# Allegro board 6089-103-RevB_76.brd (continued)
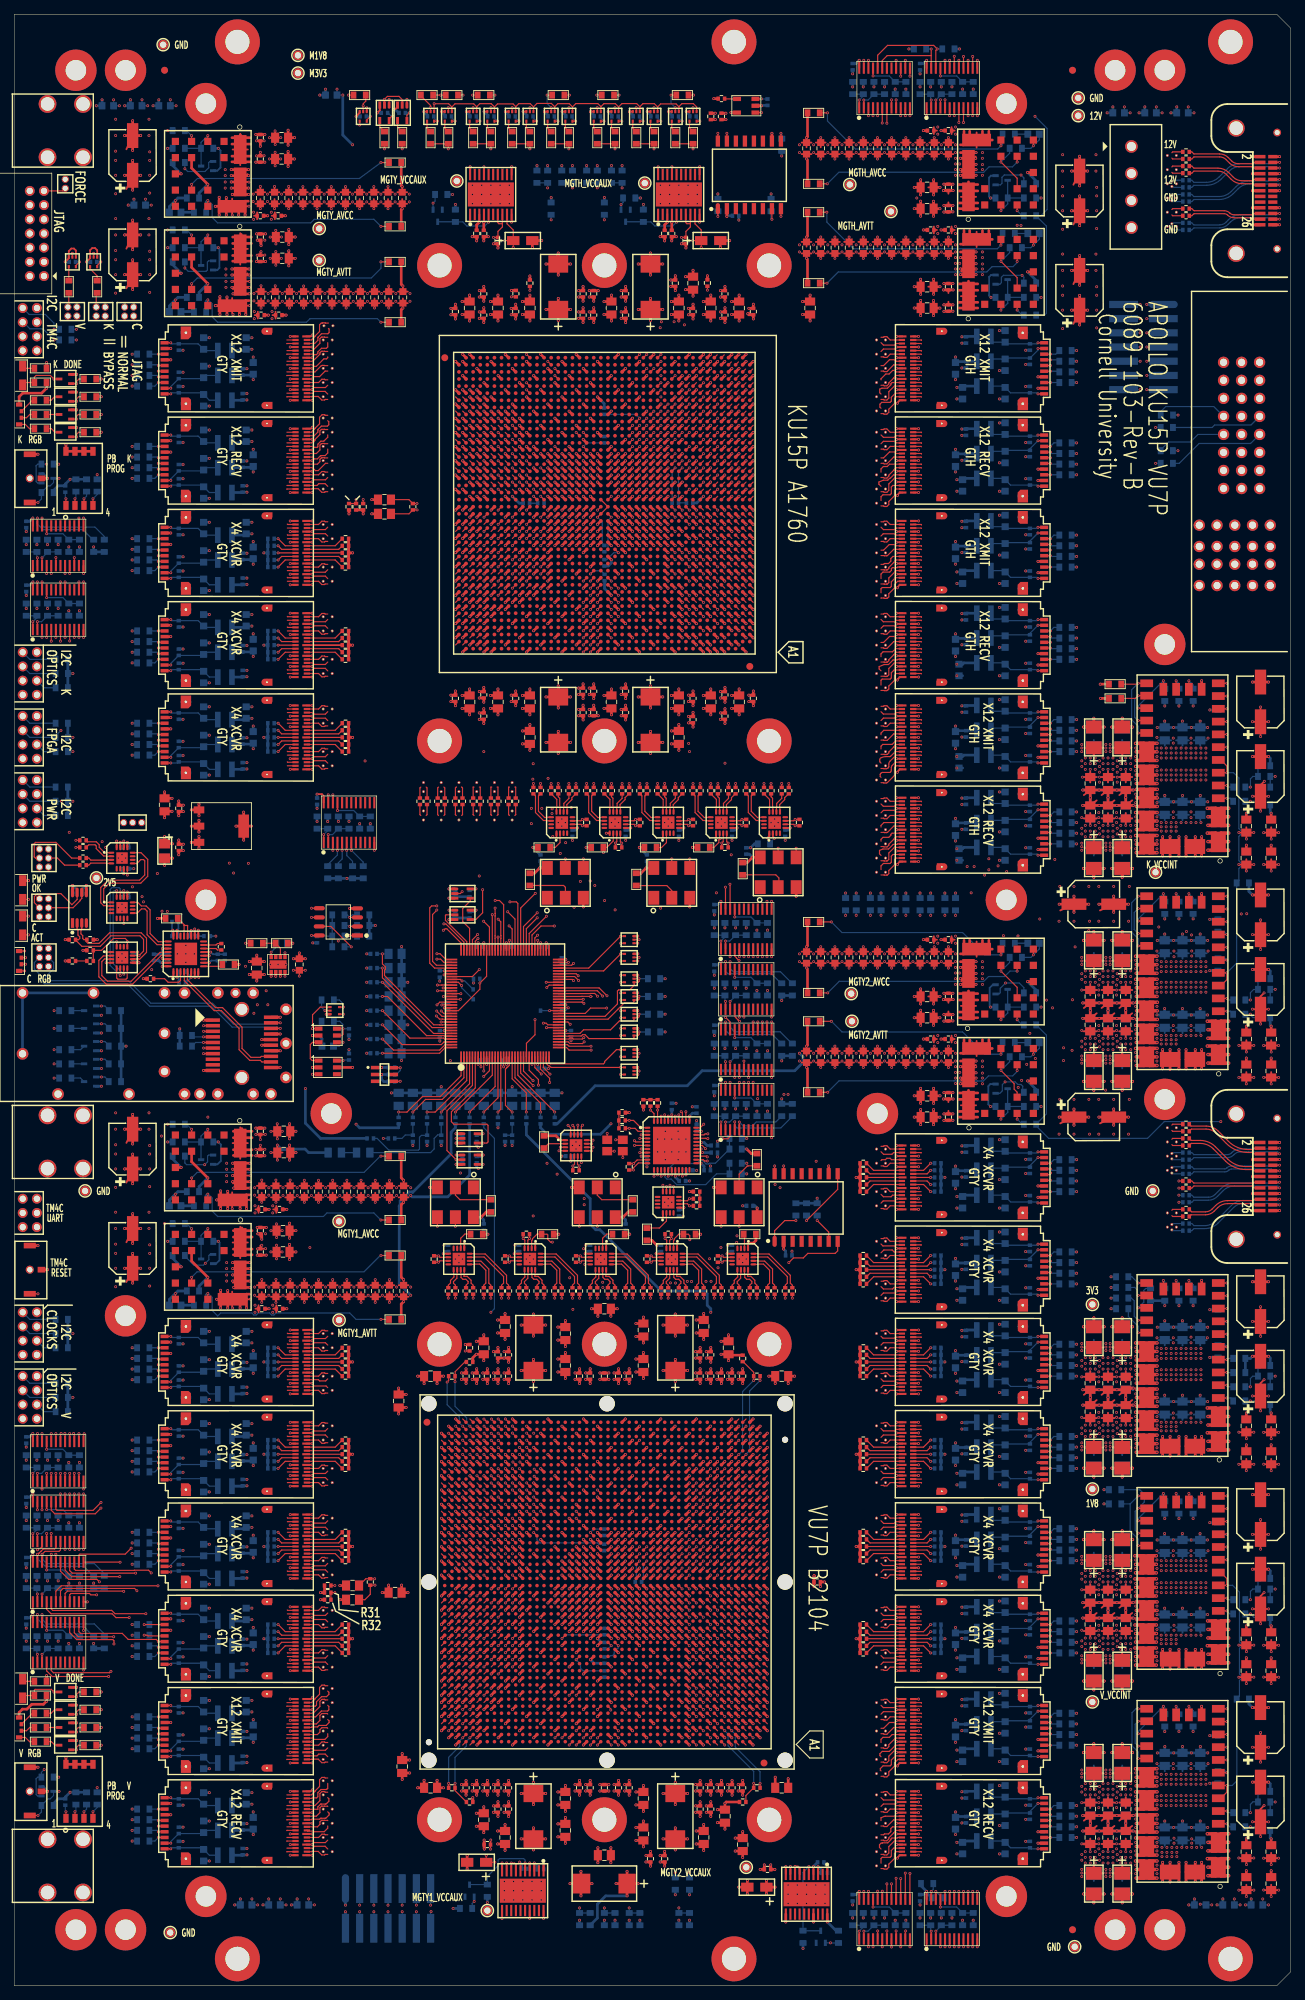
[diagram p0: board, top side]
## Routing (per net, layer and track width the routed paths; a pad name or vN(x,y) marks a point on that pad's centre or on a via; arc(x,y) is an arc through that point) (continued)
  BOTTOM w0.165: R205.1 R206.2 174.6,55.9 174.28,55.57 174.28,54.4 v1(174.27,54.4) R223.2
V_VCCINT_PG_B: length 12.2
  TOP w0.165: U76.4 v1(85.49,129.4) 75.69,129.4 75.47,129.62 75.33,129.62 75,129.96 U52.31
V_VCCINT_PG_B_1: length 177.3
  TOP w0.165: U76.1 v1(87.91,128.4)
  SIG3 w0.079: v1(174.27,22.4) 169.06,27.61 169.06,59.34 166.3,62.1 166.3,62.93 158.62,70.62 158.62,91.67 158.81,91.87 158.81,98.13 151.2,105.75 151.2,112.9 141.54,122.56 v1(141.54,126.58)
  SIG4 w0.079: v1(141.54,126.58) 141.54,126.62 141.41,126.76 132.6,126.76 132.4,126.95 111.15,126.95 109.7,128.4 v1(87.91,128.4)
  BOTTOM w0.165: R212.1 174.84,22.4 v1(174.27,22.4) R226.2 ; R212.1 175.34,21.89 ; R212.1 R211.2
V_VCCINT_PG_B_2: length 176.5
  TOP w0.165: U76.2 v1(88.09,128.9)
  SIG1 w0.079: v1(142.02,127.58) 142.02,122.17 150.12,114.07 150.12,107.88 159.1,98.89 159.1,71.45 165.34,65.22 165.34,64.86 169.4,60.8 169.4,29.27 170.59,28.09 170.59,28.07 170.8,27.86 170.82,27.86 v1(174.27,24.4)
  SIG4 w0.079: v1(142.02,127.58) 141.88,127.58 141.6,127.86 139.69,127.86 138.51,129.04 132.56,129.04 132.41,128.9 v1(88.09,128.9)
  BOTTOM w0.165: R225.2 v1(174.27,24.4) 174.27,25.56 174.64,25.93 175.31,25.93 R210.2 R209.1
V_VCCINT_PWR_EN: length 187.9
  TOP w0.165: U126.5 170.09,26.43 170.95,27.28 v1(170.95,28.23) U126.6 ; U125.5 v1(170.95,56.42) 170.94,56.43 170.94,57.38 170.1,58.23 U125.6 ; U74.4 v1(85.49,134.9)
  SIG3 w0.079: v1(143.18,134.21) 143.18,128.68 143.61,128.24 143.61,124.17 153.4,114.39 153.4,108.2 160.52,101.08 160.52,74.98 170.59,64.91 170.59,56.79 v1(170.95,56.42)
  SIG4 w0.079: v1(85.49,134.9) 85.49,134.9 86.09,135.5 99.44,135.5 99.48,135.46 99.77,135.46 99.81,135.5 100.06,135.5 100.12,135.43 100.43,135.43 100.49,135.5 103.96,135.5 104.02,135.43 104.33,135.43 104.39,135.5 104.61,135.5 104.67,135.43 104.98,135.43 105.04,135.5 105.26,135.5 105.32,135.43 105.63,135.43 105.69,135.5 105.91,135.5 105.97,135.43 106.28,135.43 106.34,135.5 106.56,135.5 106.62,135.43 106.93,135.43 106.99,135.5 116.5,135.5 117.2,134.8 119.3,134.8 120.19,135.69 129.73,135.69 129.92,135.5 141.88,135.5 v1(143.18,134.21)
  BOTTOM w0.165: v1(170.95,56.42) 171.77,56.42 172.73,55.47 172.73,48.47 173.03,48.17 173.03,47.84 172.73,47.54 172.73,43.94 173.03,43.64 173.03,43.32 172.73,43.02 172.73,40.79 R214.1 172.37,40.37 172.37,28.89 171.7,28.23 v1(170.95,28.23)
VU7P_FROM_TM4C_0: length 65.1
  TOP w0.165: v1(73.24,64.86) U66.AL33 73.7,64.41 ; U48.4 v1(66.1,115.74)
  SIG2 w0.079: v1(66.1,115.74) 67.48,114.36 v1(76.53,114.36)
  SIG3 w0.079: v1(73.24,64.86) 74.06,64.86 74.9,65.7 74.9,67.3 77.77,70.17 77.77,79.92 78.06,80.21 78.06,97.09 77.46,97.69 77.46,106.59 76.53,107.51 v1(76.53,114.36)
VU7P_TO_TM4C_0: length 65
  TOP w0.165: U66.AU34 72.69,70.39 v1(72.25,70.86) ; U47.2 v1(62.3,119.4)
  SIG2 w0.079: v1(62.3,119.4) 62.33,119.36 71.67,119.36 75.11,115.92 v1(75.11,115.89)
  SIG3 w0.079: v1(72.25,70.86) 72.62,70.48 73.78,70.48 75.6,72.3 75.6,78.2 77.07,79.67 77.07,92.88 76.72,93.23 76.72,105.08 75.11,106.69 v1(75.11,115.89)
N7164071: length 8
  TOP w0.165: U104.1 v1(144.33,224.3)
  BOTTOM w0.165: v1(144.33,224.3) 144.18,224.45 C585.1 140.46,224.45 C627.1 139.51,225.4 L7.2
N7164321: length 8.4
  TOP w0.165: U104.10 v1(144.33,231.5)
  BOTTOM w0.165: L5.2 137.7,231.75 137.87,231.59 C625.1 139.94,231.35 C583.1 144.18,231.35 v1(144.33,231.5)
N7181615: length 8
  TOP w0.165: U105.1 v1(144.33,211.3)
  BOTTOM w0.165: L10.2 139.51,212.4 C630.1 140.46,211.45 C588.1 144.18,211.45 v1(144.33,211.3)
N7181767: length 8.4
  TOP w0.165: U105.10 v1(144.33,218.5)
  BOTTOM w0.165: L8.2 137.7,218.75 137.87,218.59 C628.1 139.94,218.35 C586.1 144.18,218.35 v1(144.33,218.5)
N7182655: length 8.4
  TOP w0.165: U105.9 v1(144.33,217.7)
  BOTTOM w0.165: v1(144.33,217.7) 143.2,216.57 C587.1 139.84,216.35 C629.1 138.01,216.21 L9.2
N7186304: length 8.4
  TOP w0.165: U104.9 v1(144.33,230.7)
  BOTTOM w0.165: L6.2 138.01,229.21 C626.1 139.84,229.35 C584.1 144.33,230.48 v1(144.33,230.7)
N7242045: length 8
  TOP w0.165: U106.1 v1(144.33,198.3)
  BOTTOM w0.165: v1(144.33,198.3) 144.18,198.45 C591.1 140.46,198.45 C633.1 139.51,199.4 L13.2
N7242085: length 8.4
  TOP w0.165: U106.10 v1(144.33,205.5)
  BOTTOM w0.165: v1(144.33,205.5) 144.18,205.35 C589.1 139.94,205.35 C631.1 137.87,205.59 137.7,205.75 L11.2
N7242245: length 8
  TOP w0.165: U107.1 v1(144.33,185.3)
  BOTTOM w0.165: v1(144.33,185.3) 144.18,185.45 C594.1 140.46,185.45 C636.1 139.51,186.4 L16.2
N7242265: length 8.4
  TOP w0.165: U107.10 v1(144.33,192.5)
  BOTTOM w0.165: L14.2 137.7,192.75 137.87,192.59 C634.1 139.94,192.35 C592.1 144.18,192.35 v1(144.33,192.5)
N7242295: length 8.4
  TOP w0.165: U107.9 v1(144.33,191.7)
  BOTTOM w0.165: v1(144.33,191.7) 143.2,190.57 C593.1 139.84,190.35 C635.1 138.01,190.21 L15.2
N7242375: length 8.4
  TOP w0.165: U106.9 v1(144.33,204.7)
  BOTTOM w0.165: v1(144.33,204.7) 143.2,203.57 C590.1 139.84,203.35 C632.1 138.01,203.21 L12.2
N7253750: length 8
  TOP w0.165: U108.1 v1(144.33,172.3)
  BOTTOM w0.165: L19.2 139.51,173.4 C639.1 140.46,172.45 C597.1 144.18,172.45 v1(144.33,172.3)
N7253790: length 8.4
  TOP w0.165: U108.10 v1(144.33,179.5)
  BOTTOM w0.165: v1(144.33,179.5) 144.18,179.35 C595.1 139.94,179.35 C637.1 137.87,179.59 137.7,179.75 L17.2
N7253950: length 8
  TOP w0.165: U109.1 v1(144.33,159.3)
  BOTTOM w0.165: L22.2 139.51,160.4 C642.1 140.46,159.45 C600.1 144.18,159.45 v1(144.33,159.3)
N7253970: length 8.4
  TOP w0.165: U109.10 v1(144.33,166.5)
  BOTTOM w0.165: v1(144.33,166.5) 144.18,166.35 C598.1 139.94,166.35 C640.1 137.87,166.59 137.7,166.75 L20.2
N7254000: length 8.4
  TOP w0.165: U109.9 v1(144.33,165.7)
  BOTTOM w0.165: L21.2 138.01,164.21 C641.1 139.84,164.35 C599.1 143.2,164.57 v1(144.33,165.7)
N7254080: length 8.4
  TOP w0.165: U108.9 v1(144.33,178.7)
  BOTTOM w0.165: v1(144.33,178.7) 143.2,177.57 C596.1 139.84,177.35 C638.1 138.01,177.21 L18.2
N7267092: length 8
  TOP w0.165: U23.1 v1(22.07,192.5)
  BOTTOM w0.165: v1(22.07,192.5) 22.22,192.35 C929.1 25.94,192.35 C893.1 26.89,191.4 L56.2
N7267120: length 8
  TOP w0.165: U23.10 v1(22.07,185.3)
  BOTTOM w0.165: L58.2 27.51,184.4 C895.1 26.46,185.45 C931.1 22.22,185.45 v1(22.07,185.3)
N7267228: length 8.4
  TOP w0.165: U23.9 v1(22.07,186.1)
  BOTTOM w0.165: L57.2 27.01,187.9 C894.1 26.56,187.45 C930.1 22.07,186.32 v1(22.07,186.1)
N7267342: length 3.4
  TOP w0.165: v1(37.21,186.9) 38.21,187.9 U23.B12
  BOTTOM w0.165: R549.2 v1(37.21,186.9)
N7267344: length 3.2
  TOP w0.165: U23.B11 37.71,188.4 v1(37.21,187.9)
  BOTTOM w0.165: R548.2 v1(37.21,187.9)
N7267346: length 3
  TOP w0.165: U23.B10 v1(37.21,188.9)
  BOTTOM w0.165: R547.2 v1(37.21,188.9)
N7267348: length 3.2
  TOP w0.165: U23.B9 37.71,189.4 v1(37.21,189.9)
  BOTTOM w0.165: R546.2 v1(37.21,189.9)
N7267350: length 3.4
  TOP w0.165: v1(37.21,190.9) 38.21,189.9 U23.B8
  BOTTOM w0.165: R545.2 v1(37.21,190.9)
N7267352: length 5.4
  TOP w0.165: U23.A12 45.25,187.9 R42.2
N7267354: length 5.2
  TOP w0.165: R41.2 45.75,188.4 U23.A11
N7267356: length 5.1
  TOP w0.25: U23.A10 R40.2
N7267358: length 5.2
  TOP w0.165: U23.A9 45.75,189.4 R39.2
N7267360: length 5.4
  TOP w0.165: U23.A8 45.25,189.9 R38.2
N7269158: length 8
  TOP w0.165: U22.1 v1(22.07,205.5)
  BOTTOM w0.165: L53.2 26.89,204.4 C890.1 25.94,205.35 C926.1 22.22,205.35 v1(22.07,205.5)
N7269186: length 8
  TOP w0.165: U22.10 v1(22.07,198.3)
  BOTTOM w0.165: v1(22.07,198.3) 22.22,198.45 C928.1 26.46,198.45 C892.1 27.51,197.4 L55.2
N7269294: length 8.4
  TOP w0.165: U22.9 v1(22.07,199.1)
  BOTTOM w0.165: v1(22.07,199.1) 22.07,199.32 C927.1 26.56,200.45 C891.1 27.01,200.9 L54.2
N7269408: length 3.4
  TOP w0.165: v1(37.21,199.9) 38.21,200.9 U22.B12
  BOTTOM w0.165: R544.2 v1(37.21,199.9)
N7269410: length 3.2
  TOP w0.165: v1(37.21,200.9) 37.71,201.4 U22.B11
  BOTTOM w0.165: R543.2 v1(37.21,200.9)
N7269412: length 3
  TOP w0.165: U22.B10 v1(37.21,201.9)
  BOTTOM w0.165: R542.2 v1(37.21,201.9)
N7269414: length 3.2
  TOP w0.165: U22.B9 37.71,202.4 v1(37.21,202.9)
  BOTTOM w0.165: R541.2 v1(37.21,202.9)
N7269416: length 3.4
  TOP w0.165: U22.B8 38.21,202.9 v1(37.21,203.9)
  BOTTOM w0.165: R540.2 v1(37.21,203.9)
N7269418: length 5.4
  TOP w0.165: R37.2 45.25,200.9 U22.A12
N7269420: length 5.2
  TOP w0.165: R36.2 45.75,201.4 U22.A11
N7269422: length 5.1
  TOP w0.165: U22.A10 R35.2
N7269424: length 5.2
  TOP w0.165: R34.2 45.75,202.4 U22.A9
N7269426: length 5.4
  TOP w0.165: R33.2 45.25,202.9 U22.A8
N7271934: length 8
  TOP w0.165: U111.1 v1(144.33,97.3)
  BOTTOM w0.165: v1(144.33,97.3) 144.18,97.45 C606.1 140.46,97.45 C648.1 139.51,98.4 L28.2
N7271962: length 8.4
  TOP w0.165: U111.10 v1(144.33,104.5)
  BOTTOM w0.165: L26.2 137.7,104.75 137.87,104.59 C646.1 139.94,104.35 C604.1 144.18,104.35 v1(144.33,104.5)
N7272070: length 8.4
  TOP w0.165: U111.9 v1(144.33,103.7)
  BOTTOM w0.165: v1(144.33,103.7) 143.2,102.57 C605.1 139.84,102.35 C647.1 138.01,102.21 L27.2
N7272184: length 3.4
  TOP w0.165: U111.B12 128.19,101.9 v1(129.19,102.9)
  BOTTOM w0.165: R353.2 v1(129.19,102.9)
N7272186: length 3.2
  TOP w0.165: U111.B11 128.69,101.4 v1(129.19,101.9)
  BOTTOM w0.165: R354.2 v1(129.19,101.9)
N7272188: length 3
  TOP w0.165: U111.B10 v1(129.19,100.9)
  BOTTOM w0.165: R355.2 v1(129.19,100.9)
N7272190: length 3.2
  TOP w0.165: v1(129.19,99.9) 128.69,100.4 U111.B9
  BOTTOM w0.165: R356.2 v1(129.19,99.9)
N7272192: length 3.4
  TOP w0.165: U111.B8 128.19,99.9 v1(129.19,98.9)
  BOTTOM w0.165: R357.2 v1(129.19,98.9)
N7272194: length 5.4
  TOP w0.165: U111.A12 121.15,101.9 R166.2
N7272196: length 5.2
  TOP w0.165: R167.2 120.65,101.4 U111.A11
N7272198: length 5.1
  TOP w0.165: U111.A10 R168.2
N7272200: length 5.2
  TOP w0.165: U111.A9 120.65,100.4 R169.2
N7272202: length 5.4
  TOP w0.165: R170.2 121.15,99.9 U111.A8
N7416081: length 3
  TOP w0.165: U65.AB31 v1(73.23,209.87)
  BOTTOM w0.165: R489.1 R486.1 73.8,209.3 v1(73.23,209.87)
N7416127: length 1.8
  TOP w0.165: U65.AB30 v1(74.23,209.87)
  BOTTOM w0.165: v1(74.23,209.87) U65.AB30 R486.2
N7416741: length 6.9
  TOP w0.165: U65.AF11 v1(94.17,213.87)
  BOTTOM w0.165: R448.1 94.75,208.95 R452.1 93.65,213.35 v1(94.17,213.87)
N7416787: length 5.8
  TOP w0.165: U65.AF12 v1(93.17,213.87)
  BOTTOM w0.165: v1(93.17,213.87) 92.75,213.45 R452.2
N7431932: length 42.6
  TOP w0.165: U65.AM17 v1(88.17,219.87)
  SIG1 w0.079: v1(88.17,219.87) 87.6,220.45 87.6,221 86.07,222.53 86.03,222.53 85.83,222.73 85.83,222.77 76.32,232.28 76.32,232.31 75.92,232.71 75.92,247.75 78.7,250.53 v1(78.7,253.33)
  BOTTOM w0.165: R482.2 R481.2 v1(78.7,253.33)
N7432046: length 33.1
  TOP w0.165: U65.AM16 v1(89.17,219.87)
  SIG1 w0.079: v1(83.2,248.83) 83.2,247.65 87.22,243.63 87.22,234.94 89.55,232.62 89.55,220.24 89.18,219.87 v1(89.17,219.87)
  BOTTOM w0.165: R472.2 v1(83.2,248.83)
N7432084: length 41.8
  TOP w0.165: U65.AM18 v1(87.17,219.87)
  SIG1 w0.079: v1(75.2,253.33) 75.2,250.7 76.2,249.7 76.2,248.54 75.54,247.88 75.54,232.06 86.5,221.1 86.5,220.57 87.17,219.9 v1(87.17,219.87)
  BOTTOM w0.165: v1(75.2,253.33) R485.2 R488.2
N7432236: length 39.2
  TOP w0.165: U65.AL15 v1(90.17,218.87)
  SIG1 w0.079: v1(90.17,218.87) 90.17,219 89.8,219.37 89.8,233.28 88.86,234.22 88.86,248.22 87.66,249.43 87.66,251.37 v1(85.7,253.33)
  BOTTOM w0.165: v1(85.7,253.33) R462.2 R464.2
N7432312: length 44.3
  TOP w0.165: U65.AL16 v1(89.17,218.87)
  SIG1 w0.079: v1(89.17,218.87) 88.7,219.35 88.7,221 88.3,221.4 88.15,221.4 79.57,229.97 79.57,230.02 79.37,230.22 79.33,230.22 77.56,231.99 77.56,248.82 82.07,253.33 v1(82.2,253.33)
  BOTTOM w0.165: R479.2 R477.2 v1(82.2,253.33)
N7433493: length 45.5
  TOP w0.165: U65.AL18 v1(87.17,218.87) ; U95.7 v1(106.82,248.9)
  SIG1 w0.079: v1(106.82,248.9) 106.82,246.82 99.06,239.06 99.06,236.06 93.7,230.7 93.7,220.7 93.3,220.3 91.9,220.3 91.7,220.1 91.7,218.7 91.4,218.4 87.72,218.4 87.25,218.87 v1(87.17,218.87)
  BOTTOM w0.165: R417.2 106.7,249.02 v1(106.82,248.9)
N7433497: length 37.8
  TOP w0.165: U95.1 v1(99.2,249.31) ; U65.AN15 v1(90.17,220.87)
  SIG2 w0.079: v1(99.2,249.31) 96.35,246.46 96.35,240.2 87.71,231.56 87.71,221.44 87.79,221.36 89.69,221.36 v1(90.17,220.87)
  BOTTOM w0.165: R443.2 v1(99.2,249.31)
N7433501: length 50.1
  TOP w0.165: U65.AN14 v1(91.17,220.87) ; U95.9 v1(108.09,261.02)
  SIG1 w0.079: v1(91.17,220.87) 90.7,221.35 90.7,239.6 99.54,248.44 99.54,249.13 107.3,256.89 107.3,260.23 v1(108.09,261.02)
  BOTTOM w0.165: R413.2 108.2,260.91 v1(108.09,261.02)
N7433549: length 54.7
  TOP w0.165: U65.AN12 v1(93.17,220.87) ; U95.15 v1(100.47,261.02)
  SIG2 w0.079: v1(93.17,220.87) 93.08,220.87 92.54,220.33 87.2,220.33 86.68,220.85 86.68,232.96 87.44,233.72 87.44,248.14 96.77,257.47 96.92,257.47 v1(100.47,261.02)
N7433553: length 39.3
  TOP w0.165: U95.8 v1(108.09,249.31) ; U65.AM14 v1(91.17,219.87)
  SIG1 w0.079: v1(108.09,249.31) 107.8,249.6 107,249.6 106.67,249.27 106.67,249.27 106.45,249.05 106.45,249.05 96.77,239.37 96.77,234.67 91.75,229.65 91.75,220.52 91.17,219.94 v1(91.17,219.87)
N7433601: length 55.8
  TOP w0.165: U95.16 v1(99.2,261.02) ; U65.AK17 v1(88.17,217.87)
  SIG2 w0.079: v1(88.17,217.87) 88.17,217.96 87.73,218.4 85.76,218.4 85.68,218.48 85.68,233.06 86.81,234.19 86.81,253.91 93.87,260.97 99.15,260.97 v1(99.2,261.02)
N7434099: length 115.5
  TOP w0.165: SW1.2 v1(3.35,209) ; v1(87.17,216.87) 86.7,216.43 U65.AJ18
  SIG3 w0.079: v1(87.17,216.87) 86.68,217.37 85.94,217.37 83.72,219.58 83.72,221.88 75.15,230.45 64.35,230.45 55.94,238.86 27.59,238.86 13.65,224.91 8.37,224.91 7.87,224.41 7.87,213.94 v1(6.32,212.4)
  BOTTOM w0.165: v1(3.35,209) 3.84,209.48 R705.2 4.77,211.34 5.07,211.34 5.55,211.81 Q26.3 v1(6.32,212.4)
N7503296: length 38.5
  TOP w0.165: U65.AK18 v1(87.17,217.87)
  SIG1 w0.079: v1(75.7,248.83) 74.02,247.15 74.02,232.58 86.8,219.8 86.8,218.25 v1(87.17,217.87)
  BOTTOM w0.165: R484.2 v1(75.7,248.83)
N7505902: length 57.4
  TOP w0.165: U66.AD12 v1(95.17,57.87)
  SIG1 w0.079: v1(79.7,10.97) 86.44,17.71 86.44,18.82 86.51,18.9 86.55,18.9 89.64,21.99 89.64,27.59 92.59,30.54 92.59,56.06 92.93,56.4 94.91,56.4 95.17,56.67 v1(95.17,57.87)
  BOTTOM w0.165: v1(79.7,10.97) R480.2 R478.2
N7506206: length 68.8
  TOP w0.165: v1(113.2,107.83) 114.82,106.21 U98.7 ; U66.AG12 v1(95.17,60.87)
  SIG1 w0.079: v1(93.22,99.02) 93.22,99.85 101.63,108.25 112.77,108.25 v1(113.2,107.83)
  SIG2 w0.079: v1(93.22,99.02) 93.22,98.73 92.84,98.35 92.84,84.41 93.79,83.47 93.79,62.67 94.14,62.32 94.31,62.32 94.64,61.98 94.64,61.63 95.17,61.1 v1(95.17,60.87)
  BOTTOM w0.165: R406.2 v1(113.2,107.83)
N7506210: length 64.7
  TOP w0.165: U98.1 107.2,106.39 108.63,107.82 110.19,107.82 v1(110.2,107.83) ; U66.AH12 v1(95.17,61.86)
  SIG1 w0.079: v1(110.2,107.83) 110.09,107.72 101.81,107.72 94.89,100.8 v1(94.89,99.25)
  SIG2 w0.079: v1(94.89,99.25) 94.89,98.64 94.24,98 94.24,96.25 93.7,95.71 93.7,84.41 94.59,83.52 94.59,62.42 95.15,61.86 v1(95.17,61.86)
  BOTTOM w0.165: R409.2 v1(110.2,107.83)
N7506214: length 67.2
  TOP w0.165: v1(111.7,107.83) 116.09,112.22 116.09,114.42 ; U66.AL12 v1(95.17,64.86)
  SIG1 w0.079: v1(97.53,99.25) 98.52,100.25 108.22,100.25 111.7,103.73 v1(111.7,107.83)
  SIG2 w0.079: v1(97.53,99.25) 97.53,98.29 97.27,98.03 95.88,98.03 95.51,97.66 95.51,96.44 94.24,95.17 94.24,84.64 95.58,83.29 95.58,65.27 95.17,64.86 v1(95.17,64.86)
  BOTTOM w0.165: R407.2 v1(111.7,107.83)
N7506288: length 71.6
  TOP w0.165: 108.47,114.42 v1(108.47,115.52) ; U66.AK12 v1(95.17,63.87)
  SIG1 w0.079: v1(108.47,115.52) 108.47,113.35 114.28,107.54 114.28,105.33 108.2,99.26 v1(98.24,99.26)
  SIG2 w0.079: v1(98.24,99.26) 98.24,97.92 98.05,97.72 96.24,97.72 95.77,97.25 95.77,96.15 94.58,94.97 94.58,84.77 95.28,84.08 95.28,84.04 95.79,83.53 95.79,64.47 95.19,63.87 v1(95.17,63.87)
N7506296: length 37.7
  TOP w0.165: U66.W12 v1(95.17,51.94)
  SIG2 w0.079: v1(95.2,15.97) 95.38,16.15 95.38,33.4 95.59,33.62 95.59,51.52 v1(95.17,51.94)
  BOTTOM w0.165: R449.2 v1(95.2,15.97)
N7506304: length 61.9
  TOP w0.165: U66.AJ12 v1(95.17,62.88) ; v1(109.2,101.9) 109.86,102.56 111.24,102.56 111.89,103.2 115.73,103.2 116.09,103.56 U98.8
  SIG1 w0.079: v1(109.2,101.9) 108.75,101.9 107.53,100.68 96.93,100.68 v1(95.48,99.23)
  SIG2 w0.079: v1(95.17,62.88) 95.16,62.88 94.8,63.23 94.8,83.64 93.99,84.45 93.99,95.46 95.26,96.73 95.26,98.55 95.34,98.62 95.38,98.62 95.48,98.73 v1(95.48,99.23)
N7506346: length 51.1
  TOP w0.165: U66.AA12 v1(95.17,53.95)
  SIG1 w0.079: v1(83.2,10.97) 87.31,15.08 87.31,18.94 90.56,22.18 90.56,27.77 93.58,30.79 93.58,51.93 94.09,52.45 94.6,52.45 94.67,52.52 94.67,53.45 v1(95.17,53.95)
  BOTTOM w0.165: v1(83.2,10.97) R474.2 R463.2
N7506428: length 63.2
  TOP w0.165: 107.2,114.42 v1(107.2,115.52) ; U66.AG13 v1(94.16,60.87)
  SIG1 w0.079: v1(92.51,99.04) 92.51,100.83 v1(107.2,115.52)
  SIG2 w0.079: v1(94.16,60.87) 94.16,61.01 93.58,61.59 93.58,83.09 92.51,84.16 92.51,96.68 92.57,96.74 92.57,97.05 92.51,97.11 v1(92.51,99.04)
N7506600: length 45.3
  TOP w0.165: U66.U12 v1(95.17,49.93)
  SIG1 w0.079: v1(86.7,10.97) 93.68,17.95 93.68,27.85 94.8,28.97 94.8,49.56 v1(95.17,49.93)
  BOTTOM w0.165: R459.2 R461.2 v1(86.7,10.97)
N7506822: length 44
  TOP w0.165: U66.V12 v1(95.17,50.92)
  SIG1 w0.079: v1(95.17,50.92) 95.18,50.92 95.78,50.32 95.78,28.79 95.55,28.55 95.55,16.15 95.57,16.13 95.57,14.69 93.91,13.03 93.91,11.18 v1(93.7,10.97)
  BOTTOM w0.165: R450.2 R451.2 v1(93.7,10.97)
N7507208: length 138
  TOP w0.165: U66.AE12 v1(95.17,58.86) ; SW3.2 v1(3.35,24)
  SIG3 w0.079: v1(6.32,27.4) 6.32,24.7 8.7,22.32 10.54,22.32 17.08,15.78 81.98,15.78 95.58,29.38 95.58,58.45 v1(95.17,58.86)
  BOTTOM w0.165: v1(6.32,27.4) Q27.3 5.55,26.82 5.07,26.34 4.77,26.34 R713.2 3.84,24.48 v1(3.35,24)
N7550815: length 39.1
  TOP w0.165: U66.Y12 v1(95.17,52.93)
  SIG2 w0.079: v1(95.17,52.93) 95.17,52.47 93.79,51.08 93.79,16.61 93.68,16.5 93.68,16.45 v1(93.2,15.97)
  BOTTOM w0.165: R453.2 v1(93.2,15.97)
N7684530: length 15.3
  TOP w0.165: R145.1 102.75,87.95 104.25,86.44 104.25,85.91 R150.1 v1(104.25,85.29) ; U66.BA5 v1(102.16,74.87)
  BOTTOM w0.165: v1(102.16,74.87) 102.17,74.87 102.69,75.39 102.69,83.73 v1(104.25,85.29)
N7684576: length 12.5
  TOP w0.165: R150.2 v1(105.15,85.29) ; U66.BA4 v1(103.17,74.87)
  BOTTOM w0.165: v1(103.17,74.87) 103.17,74.91 103.67,75.41 103.67,83.81 v1(105.15,85.29)
N7685442: length 12.8
  TOP w0.165: v1(104.25,28.51) R151.1 103.15,26.8 R146.1 ; U66.C7 v1(100.17,35.94)
  BOTTOM w0.165: v1(100.17,35.94) 100.64,35.47 100.64,33.83 104.25,30.21 v1(104.25,28.51)
N7685484: length 10.3
  TOP w0.165: U66.C6 v1(101.17,35.94) ; R151.2 v1(105.15,28.51)
  BOTTOM w0.165: v1(101.17,35.94) 101.66,35.44 101.66,33.65 105.15,30.16 v1(105.15,28.51)
N7686119: length 11.4
  TOP w0.165: v1(62.15,85.11) R87.1 62.17,85.92 62.17,86.54 63.53,87.9 R90.1 ; U66.BE42 v1(64.24,78.85)
  BOTTOM w0.165: v1(62.15,85.11) 62.15,81.65 63.78,80.02 63.78,79.32 v1(64.24,78.85)
N7686165: length 8.7
  TOP w0.165: U66.BE43 v1(63.23,78.85) ; R87.2 61.25,85.28 v1(61.04,85.06)
  BOTTOM w0.165: v1(63.23,78.85) 62.76,79.33 62.76,80.17 61.04,81.88 v1(61.04,85.06)
N7686273: length 11.2
  TOP w0.165: R91.1 62.15,27.5 R88.1 v1(62.15,28.51) ; U66.B42 v1(64.24,34.95)
  BOTTOM w0.165: v1(62.15,28.51) 62.15,32.19 63.74,33.78 63.74,34.44 v1(64.24,34.95)
N7686319: length 8.5
  TOP w0.165: R88.2 v1(61.25,28.51) ; U66.B43 v1(63.23,34.95)
  BOTTOM w0.165: v1(61.25,28.51) 61.25,32.2 62.8,33.74 62.8,34.51 v1(63.23,34.95)
N7773368: length 52.4
  TOP w0.165: U37.2 v1(49.2,264.9) 49.22,264.92 49.22,265.2 49.56,265.55 R70.2 ; J1.13 6.83,252.9 7.2,253.26
  SIG1 w0.079: 7.2,253.26 7.88,253.26 14.21,259.6 26.85,259.6 26.93,259.68 30.98,259.68 36.2,264.9 v1(49.2,264.9)
N7773583: length 1.7
  TOP w0.165: R136.1 95.2,261.76 U86.4
N7774117: length 1.7
  TOP w0.165: R130.1 89.7,261.76 U78.4
N7774145: length 64.9
  TOP w0.165: 90.7,264.74 90.7,264.08 U78.1 ; 90.7,264.74 91.13,265.16 93.31,265.16 93.7,264.76 ; 90.7,264.74 90.25,265.19 88.63,265.19 88.2,264.77 88.2,264.76 ; 78.7,264.74 79.17,265.2 82.28,265.2 82.7,264.79 82.7,264.77 ; 78.7,264.74 78.25,265.19 76.63,265.19 76.2,264.77 76.2,264.75 ; 78.7,264.74 78.7,264.08 U60.1 ; 70.7,264.77 70.7,264.79 70.33,265.16 68.13,265.16 67.7,264.74 ; 70.7,264.77 71.13,265.19 72.75,265.19 73.2,264.74 ; 70.7,264.77 U53.1 ; U50.1 67.7,264.08 67.7,264.74 ; U55.1 73.2,264.08 73.2,264.74 ; U37.4 v1(48.7,262.19) ; 76.2,264.75 75.73,265.23 73.69,265.23 73.2,264.74 ; 76.2,264.75 U57.1 ; 88.2,264.76 U77.1 ; 88.2,264.76 87.75,265.2 85.67,265.2 85.2,264.74 ; U41.1 v1(59.2,265.19) 59.2,265.18 61.24,265.18 61.7,264.73 U42.1 61.7,264.08 61.7,264.74 62.14,265.17 64.78,265.17 65.2,264.75 ; 85.2,264.74 84.75,265.19 83.13,265.19 82.7,264.77 ; 85.2,264.74 85.2,264.08 U67.1 ; 93.7,264.76 93.7,264.77 94.13,265.19 95.75,265.19 96.2,264.74 96.2,264.08 U86.1 ; 93.7,264.76 U84.1 ; 65.2,264.75 65.2,264.77 65.63,265.19 67.25,265.19 67.7,264.74 ; 65.2,264.75 U49.1 ; U62.1 82.7,264.77
  SIG1 w0.079: v1(59.2,265.19) 59.2,264.43 57.57,262.8 49.31,262.8 v1(48.7,262.19)
N7774339: length 1.7
  TOP w0.165: R116.1 84.2,261.76 U67.4
N7775449: length 1.7
  TOP w0.165: U62.4 81.7,261.76 R113.1
N7775531: length 1.7
  TOP w0.165: R123.1 87.2,261.76 U77.4
N7775613: length 1.7
  TOP w0.165: U84.4 92.7,261.76 R133.1
N7781104: length 1.7
  TOP w0.165: U49.4 64.2,261.76 R92.1
N7781202: length 1.7
  TOP w0.165: U53.4 69.7,261.76 R98.1
N7781356: length 1.7
  TOP w0.165: R107.1 75.2,261.76 U57.4
N7781480: length 1.7
  TOP w0.165: U50.4 66.7,261.76 R95.1
N7781570: length 1.7
  TOP w0.165: U55.4 72.2,261.76 R101.1
N7781690: length 1.7
  TOP w0.165: U60.4 77.7,261.76 R109.1
N7785178: length 1.7
  TOP w0.165: U42.4 60.7,261.76 R85.1
N7785276: length 1.7
  TOP w0.165: U41.4 58.2,261.76 R83.1
N7786813: length 11.7
  TOP w0.165: U9.2 v1(11.2,244.11)
  SIG1 w0.079: v1(11.2,244.11) 11.18,244.09 11.18,240.03 13.63,237.57 15.79,237.57 J15.3
N7786849: length 2.1
  TOP w0.165: J13.1 7.7,236.67 R11.2
N7786853: length 10
  TOP w0.165: U7.2 v1(8.2,244.11)
  SIG1 w0.079: 12.84,236.53 12.84,237.13 8.18,241.79 8.18,244.08 v1(8.2,244.11)
N7788022: length 2.4
  TOP w0.165: R25.1 11.7,240.27 11.7,240.93 10.7,241.92 U9.4
N7788421: length 2
  TOP w0.165: R11.1 U7.4
N7873129: length 60
  TOP w0.165: U38.2 v1(52.2,265.8) 52.61,266.22 54.25,266.22 54.7,265.77 U40.2
  SIG2 w0.079: 8.84,236.53 16.57,244.27 17.06,244.27 33.72,260.93 33.72,260.99 33.92,261.19 33.98,261.19 38.59,265.8 v1(52.2,265.8)
N7875048: length 1.8
  TOP w0.165: U38.4 51.54,261.92 R72.1
N7875062: length 1.8
  TOP w0.165: R81.1 54.04,261.92 U40.4
N7921883: length 46.1
  TOP w0.165: U123.17 v1(158.45,153.53) ; U122.21 v1(158.45,176.53) ; U123.21 v1(158.45,146.53) ; U122.17 v1(158.45,183.53) 158.32,183.4 R191.1
  SIG1 w0.079: v1(158.45,153.53) 158.45,158.06 158.79,158.4 158.79,176.18 v1(158.45,176.53)
  BOTTOM w0.165: v1(158.45,183.53) 157.53,182.61 157.53,178.4 158.45,177.48 v1(158.45,176.53) ; v1(158.45,146.53) 158.45,147.54 157.53,148.46 157.53,152.61 v1(158.45,153.53)
N7921887: length 42.4
  TOP w0.165: U123.20 v1(158.45,148.28) ; U123.18 v1(158.45,151.78) ; R192.1 158.07,181.4 v1(158.45,181.78) U122.18 ; U122.20 v1(158.45,178.28)
  SIG1 w0.079: v1(158.45,178.28) 159.26,177.46 159.26,152.64 158.45,151.83 v1(158.45,151.78)
  BOTTOM w0.165: v1(158.45,151.78) 157.9,151.22 157.9,148.82 158.44,148.28 v1(158.45,148.28) ; v1(158.45,178.28) 158.41,178.28 157.96,178.73 157.96,181.28 v1(158.45,181.78)
N7922601: length 8.9
  TOP w0.165: U122.16 v1(162,183.88) ; U122.19 v1(158.45,180.03)
  BOTTOM w0.165: v1(158.45,180.03) 158.45,180.32 v1(162,183.88) 162.2,183.68 R245.1
N7927125: length 2.5
  TOP w0.165: U122.15 v1(163.8,183.88)
  BOTTOM w0.165: R240.1 164.2,183.48 v1(163.8,183.88)
N7927299: length 2.6
  TOP w0.165: U122.14 v1(165.6,183.88)
  BOTTOM w0.165: v1(165.6,183.88) 166.19,183.29 R235.1
N7927470: length 2.5
  TOP w0.165: U122.9 v1(170.95,178.12)
  BOTTOM w0.165: v1(170.95,178.12) 170.87,178.04 R227.1
N7930999: length 2.6
  TOP w0.165: U123.9 v1(170.95,148.12)
  BOTTOM w0.165: v1(170.95,148.12) 170.54,148.54 R228.1
N7931071: length 2.6
  TOP w0.165: U123.14 v1(165.6,153.88)
  BOTTOM w0.165: R236.1 166.2,153.28 v1(165.6,153.88)
N7931075: length 8.9
  TOP w0.165: U123.16 v1(162,153.88) ; U123.19 v1(158.45,150.03)
  BOTTOM w0.165: R246.1 162.2,153.68 v1(162,153.88) 158.45,150.32 v1(158.45,150.03)
N7931121: length 2.5
  TOP w0.165: U123.15 v1(163.8,153.88)
  BOTTOM w0.165: v1(163.8,153.88) 164.2,153.48 R241.1
N7932656: length 34.4
  TOP w0.165: U123.7 v1(170.95,144.53) ; U122.7 v1(170.95,174.53)
  SIG1 w0.079: v1(170.95,144.53) 171.76,145.34 171.76,173.71 v1(170.95,174.53)
  BOTTOM w0.165: R229.1 170.72,144.76 v1(170.95,144.53)
N7932668: length 33.2
  TOP w0.165: 169.75,146.32 v1(170.95,146.32) ; 169.75,176.32 v1(170.95,176.32)
  SIG1 w0.079: v1(170.95,146.32) 169.99,147.29 169.99,175.36 v1(170.95,176.32)
N7976034: length 4.6
  TOP w0.165: U15.17 v1(22.72,251.54)
  BOTTOM w0.381: C953.2 21.89,250.71 v1(22.72,251.54) 23.08,251.9 R583.1
N7976041: length 8
  TOP w0.165: U15.7 v1(27.3,253.83)
  TOP w0.381: U15.10 25.01,256.12 v1(27.3,253.83)
  BOTTOM w0.381: v1(27.3,253.83) 26.06,252.6 R583.2
